# Altium PCB Wireless_Detector.PcbDoc (part 2 of 2)
Units mil, origin at the board's own origin, x right, y up, seen from the top; angles counter-clockwise.
Board outline 3157.48 x 3606.3 mil, 4 copper layers (Top Layer, GND, PWR, Bottom Layer), stack 53.912 mil thick; 127 components, 88 nets, 453 pads, 190 vias.
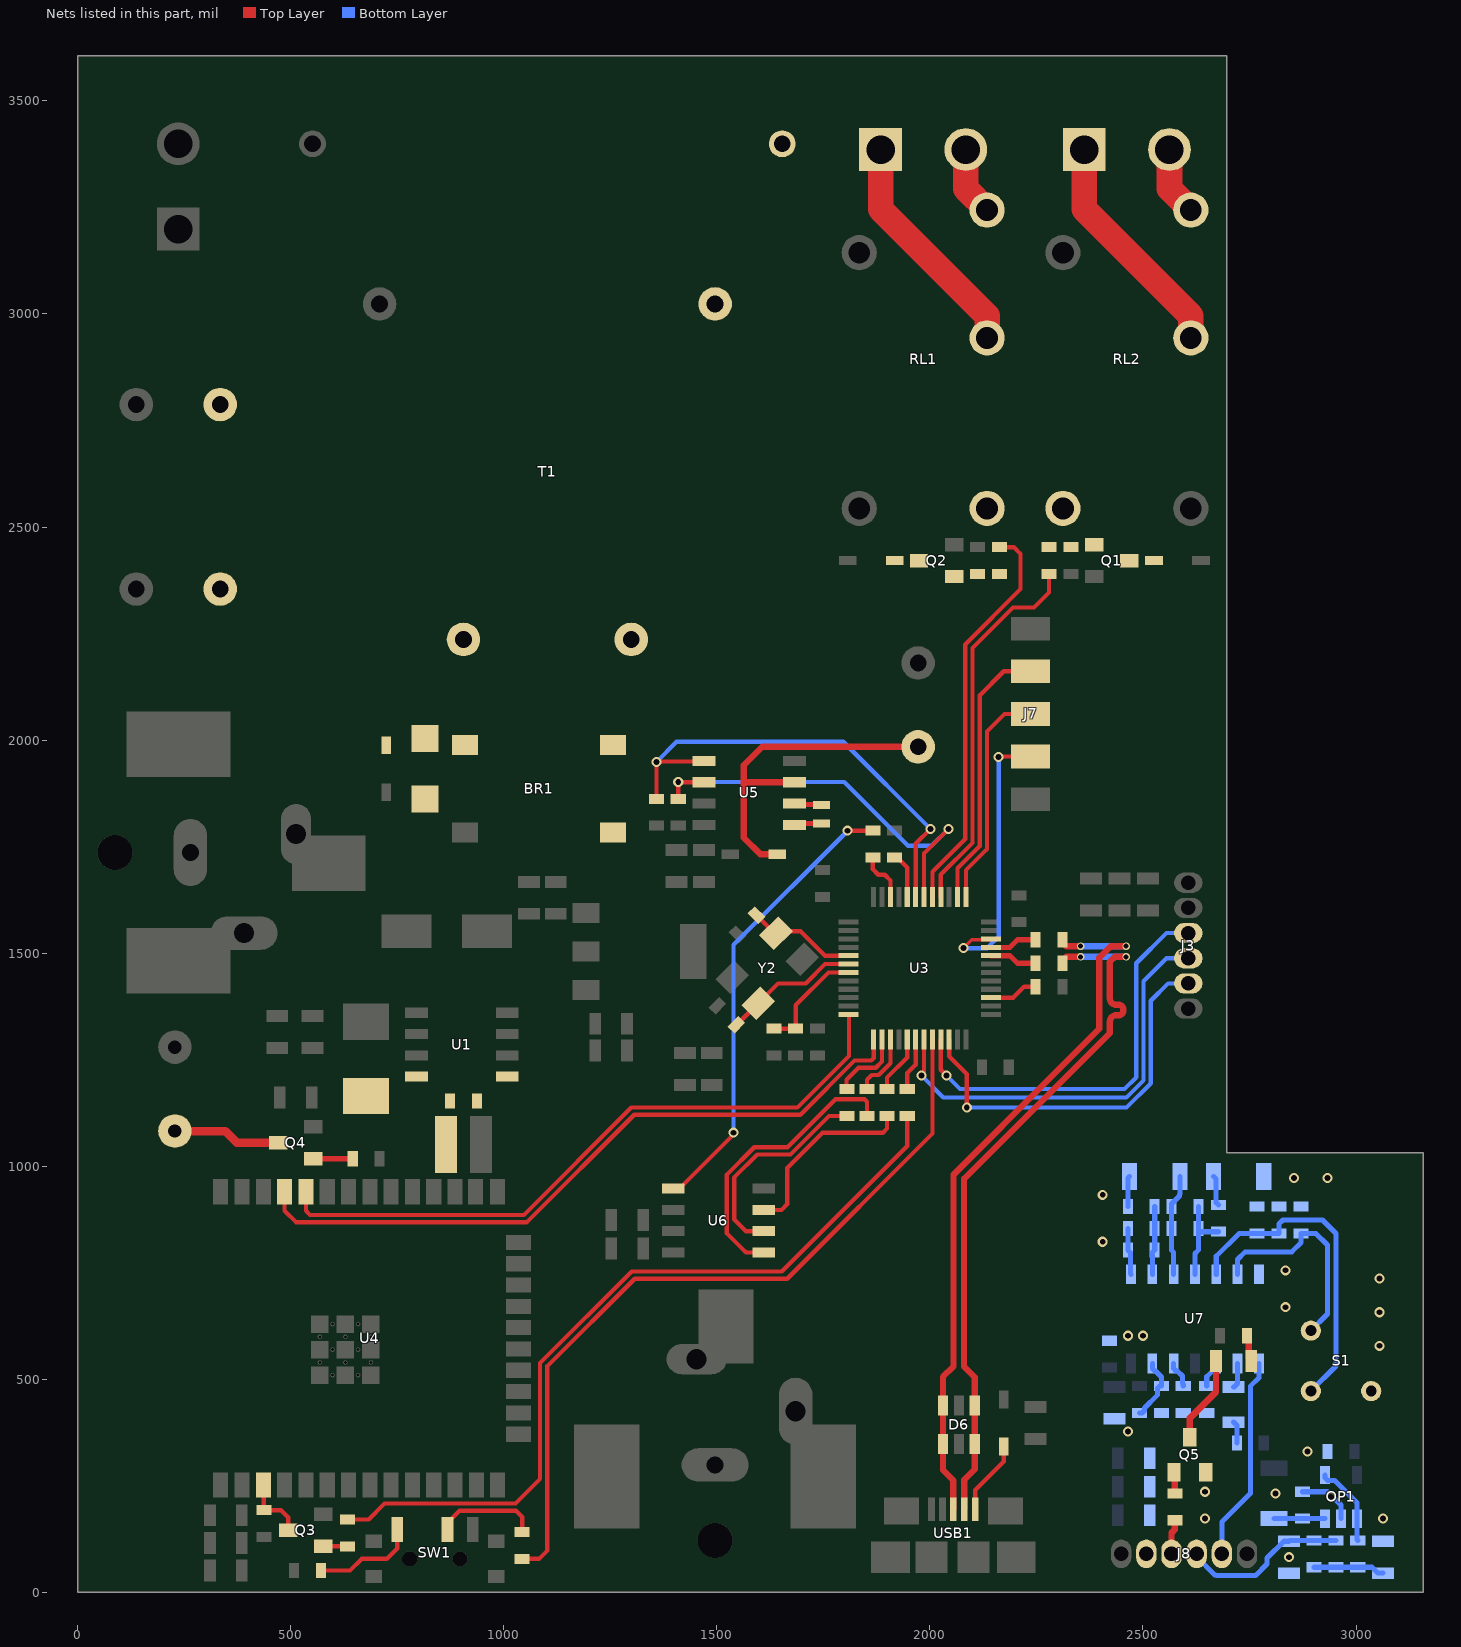
[diagram p4: the nets of this part, all layers, seen from the top]

## Via types
v1: diameter 23.62, hole 13.78, Top Layer to Bottom Layer, tented both sides, 185 vias
v2: diameter 17.72, hole 11.81, Top Layer to Bottom Layer, tented both sides, 4 vias
v3: diameter 23.62, hole 13.78, Top Layer to Bottom Layer, 1 vias

## Nets (pads, with @x,y where several pads share a name; then routed paths per layer and width w, separated by ;. In a path a pad name is that pad's centre, name@x,y a point inside that pad or via, vN(x,y) a via of type N, cw(c..) or ccw(c..) an arc to the next point about the centre after c; other vN are vias at no path point) (continued)
GND_S: C35.1 C36.1 C37.1 C39.1 C40.1 C41.1 C42.2 C43.1 C44.1 C45.1 C46.1 C47.1 J8.2 OP1.2 Q5.2 R31.1 R32.1 R33.1 R37.1 S1.3 U7.7 | length 135.2
  Bottom Layer w12: R37.1@2874.02,236.22 2933.22,236.22 2964.57,204.88 OP1.2@2964.57,173.23
  other v1: 2842.52,82.68 2645.67,173.23 3062.99,173.23 2940.94,224.41 2811.02,232.28 2645.67,236.22 2885.83,330.71 2464.57,377.95 3055.12,578.74 2464.57,602.36 2500,602.36 3055.12,657.48 2834.65,669.29 3055.12,736.22 2834.65,755.91 2405.51,822.83 2405.51,933.07 2854.33,972.44 2933.07,972.44
LED_S: J8.3 R29.2 | length 82
  Top Layer w15: J8.3@2566.93,90.55 2566.93,139.6 2574.8,147.48 R29.2@2574.8,169.29
LIGHT_1_GND: J2.2 RL1.3 | length 162.8
  Top Layer w60: J2.2@2084.25,3385.83 2084.25,3293.7 RL1.3@2134.25,3243.7
LIGHT_1_VCC: J2.1 RL1.2 | length 545.7
  Top Layer w60: J2.1@1884.25,3385.83 1884.25,3245.63 2134.25,2995.63 RL1.2@2134.25,2943.7
LIGHT_2_GND: J4.2 RL2.3 | length 162.8
  Top Layer w60: J4.2@2562.2,3385.83 2562.2,3293.7 RL2.3@2612.2,3243.7
LIGHT_2_VCC: J4.1 RL2.2 | length 545.7
  Top Layer w60: J4.1@2362.2,3385.83 2362.2,3245.63 2612.2,2995.63 RL2.2@2612.2,2943.7
MCU_N: R6.1 U3.32 | length 111.7
  Top Layer w12: U3.32@2143.7,1494.09 2187.73,1494.09 2205.44,1476.38 R6.1@2248.03,1476.38
MCU_P: R7.1 U3.33 | length 111.7
  Top Layer w12: U3.33@2143.7,1513.78 2187.89,1513.78 2205.6,1531.5 R7.1@2248.03,1531.5
NetBR1_1: BR1.1 T1.7
NetBR1_2: BR1.2 T1.9
NetBR1_3: BR1.3 F1.1
NetC1_1: C1.1 C2.1 D9.A F1.2
NetC5_1: C5.1 U1.1
NetC5_2: C5.2 D4.C L1.1 U1.8
NetC15_2: C15.2 U3.5 Y2.1 | length 259.3
  Top Layer w10: C15.2@1593.14,1589.2 1635.65,1546.69 Y2.1@1638.99,1546.69 1643.86,1551.56 1696.47,1551.56 1753.94,1494.09 U3.5@1809.06,1494.09
NetC19_1: C19.1 D5.C U5.3 | length 810.1
  Top Layer w15: D5.C@1641.73,1732.28 1602.36,1732.28 1563.48,1771.17 1563.48,1901.57 ; U5.3@1682.39,1901.11 1563.94,1901.11 1563.48,1901.57 ; C19.1@1972.44,1984.25 1606.78,1984.25 1563.48,1940.94 1563.48,1901.57
NetC22_2: C22.2 U3.6 Y2.3 | length 321.2
  Top Layer w10: C22.2@1546.85,1332.06 Y2.3@1597.23,1382.44 1643.92,1429.13 1708.66,1429.13 1753.94,1474.41 U3.6@1809.06,1474.41
NetC33_1: C33.1 R23.1 R25.2 U7.2 | length 161.3
  Bottom Layer w12: U7.2@2522.05,746.46 2522.05,797.63 C33.1@2527.56,803.15 R23.1@2527.56,854.33 R25.2@2527.56,905.51
NetC33_2: C33.2 R23.2 U7.1 | length 111
  Bottom Layer w12: R23.2@2464.56,854.33 C33.2@2464.56,803.15 2470.37,797.34 2470.37,748.13 U7.1@2472.05,746.46
NetC34_1: C34.1 C38.2 R28.2 U7.3 | length 240.2
  Bottom Layer w12: U7.3@2572.05,746.46 2572.05,798.03 2566.93,803.15 C38.2@2566.93,905.51 2566.93,911.42 2585.81,930.3 2585.81,934.08 2586.61,934.88 C34.1@2586.61,976.38
NetC34_2: C34.2 R25.1 | length 72.5
  Bottom Layer w12: R25.1@2464.56,905.51 2464.56,972.44 C34.2@2468.5,976.38
NetC37_2: C37.2 R27.1 U7.13 | length 152.5
  Bottom Layer w12: R27.1@2492.13,421.26 2498.03,421.26 2503.84,427.07 2503.84,432.97 2533.73,462.85 2533.73,478.45 2539.54,484.26 C37.2@2543.31,484.26 2543.31,505.74 2529.27,519.78 2527.46,519.78 2522.05,525.2 U7.13@2522.05,537.01
NetC38_1: C38.1 R28.1 R30.2 U7.4 | length 212
  Bottom Layer w12: U7.4@2622.05,746.46 2622.05,795.28 2629.93,803.15 C38.1@2629.93,905.51 ; R28.1@2629.93,852.26 2635.74,846.45 R30.2@2677.17,846.45
NetC39_2: C39.2 S1.1 U7.6 | length 512.6
  Bottom Layer w12: U7.6@2722.05,746.46 2721.85,746.66 2721.85,781.32 2739.74,799.21 2849.31,799.21 2870.8,820.7 C39.2@2870.8,842.52 2905.52,842.52 2933.07,814.96 2933.07,653.51 S1.1@2893.86,614.3
NetC40_2: C40.2 R33.2 S1.2 U7.5 | length 778.5
  Bottom Layer w12: U7.5@2672.05,746.46 2672.05,788.82 2725.74,842.52 R33.2@2767.72,842.52 C40.2@2818.9,842.52 2818.9,864.33 2828.59,874.02 2921.26,874.02 2952.76,842.52 2952.76,531.46 S1.2@2893.86,472.57
NetC41_2: C41.2 R30.1 | length 71.9
  Bottom Layer w12: C41.2@2665.35,976.38 2671.26,970.47 2671.26,915.26 2677.07,909.45 R30.1@2677.17,909.45
NetC43_2: C43.2 R34.1 R35.1 R36.1 | length 167.1
  Bottom Layer w12: R34.1@2901.57,59.05 R36.1@2952.76,59.05 R35.1@3003.94,59.05 3037.41,59.05 3051.18,45.28 C43.2@3062.99,45.28
NetD1_A: D1.A Q2.3 RL1.5
NetD2_A: D2.A Q1.3 RL2.4
NetD3_A: D3.A USB1.1 | length 175.4
  Top Layer w10: USB1.1@2106.3,194.88 2106.3,240.16 2173.23,307.09 D3.A@2173.23,342.52
NetD7_A: D7.A R24.1 | length 63.1
  Top Layer w15: R24.1@2744.1,602.36 2747.88,598.58 2747.88,549.37 D7.A@2753.94,543.31
NetD7_C: D7.C Q5.3 | length 204.4
  Top Layer w15: Q5.3@2610.24,364.17 2610.24,409.45 2671.26,470.47 D7.C@2671.26,543.31
NetD8_A: D8.A R26.1 | length 52.5
  Bottom Layer w12: D8.A@2712.6,399.61 2712.69,399.61 2720.47,391.83 R26.1@2720.47,350.39
NetD8_C: D8.C U7.9 | length 59.6
  Bottom Layer w12: D8.C@2712.6,482.28 2714.27,482.28 2722.05,490.06 U7.9@2722.05,537.01
NetJ3_3: J3.3 U3.21 | length 978.8
  Top Layer w10: U3.21@2025.59,1297.24 2025.59,1226.38 v1(2039.37,1212.6)
  Bottom Layer w10: v1(2039.37,1212.6) 2070.87,1181.1 2456.69,1181.1 2484.25,1208.66 2484.25,1476.38 2555.12,1547.24 J3.3@2606.3,1547.24
NetJ3_4: J3.4 U3.19 | length 1005.9
  Top Layer w10: v1(1980.32,1212.6) 1980.32,1216.28 1986.22,1222.19 U3.19@1986.22,1297.24
  Bottom Layer w10: v1(1980.32,1212.6) 2031.5,1161.42 2461.05,1161.42 2501.25,1201.62 2501.25,1434.32 2555.12,1488.19 J3.4@2606.3,1488.19
NetJ3_5: J3.5 U3.22 | length 930.7
  Top Layer w10: U3.22@2045.28,1297.24 2045.28,1257.87 2086.61,1216.54 v1(2086.61,1137.61)
  Bottom Layer w10: v1(2086.61,1137.61) 2086.8,1137.8 2461.47,1137.8 2518.25,1194.58 2518.25,1388.33 2559.06,1429.13 J3.5@2606.3,1429.13
NetJ7_2: J7.2 U3.34 | length 664.6
  Top Layer w8: v1(2078.74,1511.81) 2078.74,1512.06 2098.34,1531.66 2141.9,1531.66 U3.34@2143.7,1533.46
  Top Layer w10: v1(2161.42,1960.63) 2162.2,1961.42 J7.2@2236.22,1961.42
  Bottom Layer w10: v1(2078.74,1511.81) 2133.86,1511.81 2161.42,1539.37 v1(2161.42,1960.63)
NetJ7_3: J7.3 U3.37 | length 528.1
  Top Layer w10: U3.37@2084.65,1631.89 2084.65,1694.88 2133.86,1744.09 2133.86,2020.12 2175.16,2061.42 J7.3@2236.22,2061.42
NetJ7_4: J7.4 U3.38 | length 637.4
  Top Layer w10: U3.38@2064.96,1631.89 2064.96,1699.24 2116.86,1751.14 2116.86,2105.05 2173.23,2161.42 J7.4@2236.22,2161.42
NetJ8_5: J8.5 U7.8 | length 482.5
  Bottom Layer w12: J8.5@2685.04,90.55 2685.04,165.35 2751.97,232.28 2751.97,483.7 2772.05,503.78 U7.8@2772.05,537.01
NetLS1_2: LS1.2 Q4.3 | length 253.5
  Top Layer w20: LS1.2@228.35,1082.68 346.46,1082.68 374.02,1055.12 Q4.3@470.47,1055.12
NetOP1_1: OP1.1 OP1.4 R35.2 | length 195
  Bottom Layer w12: OP1.4@2927.17,275.59 2927.17,268.86 2932.98,263.05 2949.55,263.05 3001.97,210.63 3001.97,124.02 R35.2@3003.94,122.05
NetOP1_3: OP1.3 R37.2 RT1.1 | length 120.1
  Bottom Layer w12: RT1.1@2807.09,173.23 R37.2@2874.02,173.22 ; R37.2@2874.02,173.22 2905.35,173.22 ; 2905.35,173.23 OP1.3@2927.17,173.23
NetQ1_1: Q1.1 R3.2 R5.2
NetQ2_1: Q2.1 R2.2 R4.2
NetQ3_1: Q3.1 R18.2 | length 57.1
  Top Layer w10: Q3.1@576.77,108.27 R18.2@633.86,108.26
NetQ4_1: Q4.1 R22.2 | length 92.5
  Top Layer w12: Q4.1@553.15,1017.72 R22.2@645.67,1017.72
NetQ5_1: Q5.1 R29.1 | length 50
  Top Layer w15: Q5.1@2572.83,281.5 2574.8,279.53 R29.1@2574.8,232.29
NetR1_2: R1.2 T1.1
NetR2_1: R2.1 U3.41 | length 946.9
  Top Layer w10: U3.41@2005.91,1631.89 2005.91,1690.94 2082.86,1767.9 2082.86,2224.59 2212.6,2354.33 2212.6,2437.01 2196.85,2452.76 R2.1@2162.99,2452.76
NetR3_1: R3.1 U3.40 | length 891.9
  Top Layer w10: U3.40@2025.59,1631.89 2025.59,1684.32 2099.86,1758.59 2099.86,2216.04 2194.84,2311.02 2244.09,2311.02 2279.53,2346.46 R3.1@2279.53,2389.76
NetR10_1: R10.1 U3.18 | length 124.3
  Top Layer w10: R10.1@1946.85,1181.11 1946.85,1218.69 1966.54,1238.37 U3.18@1966.54,1297.24
NetR12_2: R12.2 U3.44 | length 108.2
  Top Layer w10: R12.2@1917.32,1724.41 1923.23,1724.41 1946.85,1700.78 U3.44@1946.85,1631.89
NetR14_1: R14.1 U3.27 | length 114.9
  Top Layer w10: U3.27@2143.7,1395.67 2195.63,1395.67 2221.22,1421.26 R14.1@2248.03,1421.26
NetR15_1: R15.1 U6.1 | length 680.8
  Top Layer w10: U6.1@1610.24,797.64 1568.66,797.64 1567.09,799.21 1566.93,799.21 1523.62,842.52 1523.62,980.31 1587.87,1044.56 1665.77,1044.56 1778.5,1157.3 1827.81,1157.3 1846.5,1157.3 1852.36,1151.44 R15.1@1852.36,1118.11
NetR16_1: R16.1 U6.3 | length 447.7
  Top Layer w10: U6.3@1610.24,897.64 1651.81,897.64 1665.35,911.18 1665.35,996.06 1748.03,1078.74 1889.76,1078.74 1899.61,1088.58 R16.1@1899.61,1118.11
NetR17_1: R17.1 U6.2 | length 503.3
  Top Layer w10: U6.2@1610.24,847.64 1568.66,847.64 1540.62,875.68 1540.62,973.27 1594.91,1027.56 1672.81,1027.56 1763.36,1118.11 R17.1@1805.12,1118.11
NetR19_1: R19.1 U6.5 | length 1077.1
  Top Layer w10: U6.5@1397.64,947.64 1412.4,947.64 1536.76,1072 1536.76,1076.13 v1(1539.37,1078.74) ; v1(1807.09,1787.4) R19.1@1866.14,1787.41
  Bottom Layer w10: v1(1539.37,1078.74) 1539.37,1519.69 v1(1807.09,1787.4)
NetR20_1: R20.1 SW1.1 | length 245.2
  Top Layer w10: R20.1@570.87,51.18 639.39,51.18 666.95,78.74 725.63,78.74 737.81,90.93 750,103.11 SW1.1@750,147.64
NetR21_2: R21.2 SW1.2 | length 244.1
  Top Layer w10: SW1.2@868.11,147.64 868.11,163.39 896.39,191.66 1028.81,191.66 1043.31,177.17 R21.2@1043.31,141.74
NetR31_2: R31.2 U7.10 | length 62
  Bottom Layer w12: R31.2@2649.61,484.26 2649.61,506.07 2672.05,528.51 U7.10@2672.05,537.01
NetR32_2: R32.2 U7.12 | length 63.8
  Bottom Layer w12: U7.12@2572.05,537.01 2572.05,525.2 2577.46,519.78 2580.37,519.78 2592.58,507.57 2592.58,490.07 2594.49,488.16 R32.2@2594.49,484.26
NetU5_1: U5.1 Y1.2 | length 64.4
  Top Layer w12: U5.1@1682.39,1801.11 1685.73,1804.45 Y1.2@1745.38,1804.45
NetU5_2: U5.2 Y1.1 | length 64.4
  Top Layer w12: U5.2@1682.39,1851.11 1685.03,1848.47 1744.67,1848.47 Y1.1@1745.38,1847.76
NRST: C23.2 R11.2 U3.7 | length 262.1
  Top Layer w10: R11.2@1633.86,1322.84 C23.2@1685.04,1322.84 1685.04,1377.95 1761.81,1454.72 U3.7@1809.06,1454.72
RTC_SCL: R8.1 U3.42 U5.6 | length 991.2
  Top Layer w10: R8.1@1409.45,1866.15 v1(1409.45,1901.57) 1409.68,1901.34 1469.56,1901.34 U5.6@1469.79,1901.11 ; U3.42@1986.22,1631.89 1986.22,1734.25 v1(2043.31,1791.34)
  Bottom Layer w10: v1(1409.45,1901.57) 1799.21,1901.57 1948.82,1751.97 2003.94,1751.97 v1(2043.31,1791.34)
RTC_SDA: R9.2 U3.43 U5.5 | length 1120.2
  Top Layer w10: R9.2@1358.27,1862.21 v1(1358.27,1948.82) 1359.41,1949.96 1468.65,1949.96 U5.5@1469.79,1951.11 ; U3.43@1966.54,1631.89 1966.54,1756.95 v1(2001.13,1791.54)
  Bottom Layer w10: v1(1358.27,1948.82) 1405.51,1996.06 1796.6,1996.06 v1(2001.13,1791.54)
SENSOR_ONOFF: R21.1 U3.20 | length 1849.9
  Top Layer w10: R21.1@1043.31,78.74 1082.67,78.74 1102.36,98.43 1102.36,531.08 1307.51,736.22 1665.35,736.22 2005.91,1076.77 U3.20@2005.91,1297.24
TEMP_ADC: C44.2 J8.4 R34.2 R36.2 | length 394.3
  Bottom Layer w12: J8.4@2625.98,90.55 2625.98,83.66 2668.56,41.09 2670.44,41.09 2672.16,39.37 2763.78,39.37 2791.34,66.93 2791.34,80.71 2830.71,120.08 C44.2@2842.52,120.08 2844.49,122.05 R34.2@2901.57,122.05 R36.2@2952.76,122.05
TEMP_IN_CS: R17.2 U3.14 | length 172.7
  Top Layer w10: R17.2@1804.42,1182.7 1804.42,1202.92 1832.54,1231.03 1872.81,1231.03 1887.8,1246.02 U3.14@1887.8,1297.24
TEMP_IN_OT: R19.2 U3.46 | length 118.4
  Top Layer w10: R19.2@1866.14,1724.41 1866.14,1696.85 1878.94,1684.05 1893.94,1684.05 1907.48,1670.51 U3.46@1907.48,1631.89
TEMP_IN_SCLK: R15.2 U3.15 | length 148.6
  Top Layer w10: R15.2@1852.36,1181.11 1852.36,1202.92 1863.48,1214.03 1879.85,1214.03 1907.48,1241.66 U3.15@1907.48,1297.24
TEMP_IN_SIO: R16.2 U3.17 | length 135.7
  Top Layer w10: R16.2@1899.61,1181.11 1899.61,1207.92 1946.85,1255.16 U3.17@1946.85,1297.24
USB_N: D6.1 D6.6 R6.2 USB1.2 | length 1690.9
  Top Layer w14.7: USB1.2@2080.71,194.88 2080.71,264.62 2105.31,289.22 D6.6@2105.31,348.43 D6.1@2105.31,438.98 2105.31,504.92 2080.26,529.97 2080.26,970.53 2417.25,1307.52 2422.34,1312.6 2422.34,1339.57 cw(c2437.03,1339.57) 2437.03,1354.26 2442.05,1354.26 ccw(c2442.05,1366.61) 2442.05,1378.96 2437.03,1378.96 cw(c2437.03,1393.66) 2422.34,1393.66 2422.34,1436.62 2422.34,1479.5 2434.42,1491.59 2458.25,1491.59 2458.49,1491.34 v2(2460.63,1491.34) ; R6.2@2311.03,1476.38 2311.03,1482.28 2320.33,1491.59 2351.41,1491.59 2351.66,1491.34 v2(2353.79,1491.34)
  Bottom Layer w14.7: v2(2353.79,1491.34) 2354.04,1491.59 2458.25,1491.59 2458.49,1491.34 v2(2460.63,1491.34)
USB_P: D6.3 D6.4 R7.2 USB1.3 | length 1690.9
  Top Layer w14.7: USB1.3@2055.12,194.88 2055.12,262.8 2030.51,287.4 D6.4@2030.51,348.43 D6.3@2030.51,438.98 2030.51,505.63 2055.56,530.68 2055.56,980.76 2287.4,1212.6 2379.92,1305.12 2397.64,1322.83 2397.64,1489.73 2424.19,1516.29 2460.38,1516.29 v2(2460.63,1516.54) ; R7.2@2311.03,1531.5 2311.03,1525.59 2320.33,1516.29 2353.54,1516.29 v2(2353.79,1516.54)
  Bottom Layer w14.7: v2(2353.79,1516.54) 2355.93,1516.54 2356.18,1516.29 2460.38,1516.29 v2(2460.63,1516.54)
WIFI_EN: R10.2 R18.1 | length 1905.6
  Top Layer w10: R18.1@633.86,171.26 683.07,171.26 720.47,208.66 1027.56,208.66 1085.36,266.46 1085.36,538.12 1300.46,753.22 1652.41,753.22 1946.85,1047.66 R10.2@1946.85,1118.11
WIFI_OUT: Q3.3 R13.2 U4.3 | length 154.2
  Top Layer w10: U4.3@435.83,251.97 437.01,250.79 R13.2@437.01,192.92 469.72,192.92 ; 469.73,192.91 477.6,192.91 494.09,176.42 Q3.3@494.09,145.67
WIFI_RXD: U3.12 U4.34 | length 1575.1
  Top Layer w10: U4.34@535.84,940.16 535.84,895.63 545.64,885.83 1047.24,885.83 1299.21,1137.8 1688.98,1137.8 1809.96,1258.78 1809.96,1355.39 U3.12@1809.06,1356.3
WIFI_TXD: U3.13 U4.35 | length 1640.8
  Top Layer w10: U4.35@485.84,940.16 485.84,895.63 512.64,868.83 1054.29,868.83 1306.25,1120.8 1696.02,1120.8 1823.25,1248.03 1862.25,1248.03 1868.11,1253.89 U3.13@1868.11,1297.24
pads on no net: J3.6 J5. J6. J8.6 RL1.1 RL2.1 SW1. SW1.3 U1.2 U1.3 U1.5 U3.1 U3.2 U3.3 U3.4 U3.10 U3.11 U3.16 U3.25 U3.26 U3.28 U3.29 U3.30 U3.31 U3.39 U3.45 U4.4 U4.5 U4.6 U4.7 U4.8 U4.9 U4.10 U4.11 U4.12 U4.13 U4.14 U4.16 U4.17 U4.18 U4.19 U4.20 U4.21 U4.22 U4.23 U4.24 U4.25 U4.26 U4.27 U4.28 U4.29 U4.30 U4.31 U4.32 U4.33 U4.36 U4.37 U5.7 U6.6 U6.7 U7.11 USB1.4

## Polygon pours and split planes (outlines as drawn)
GND on Top Layer "GNDTop" (solid, pour order 15): 539.37,681.1 511.81,653.54 511.81,484.25 539.37,456.69 716.54,456.69 744.09,484.25 744.09,649.61 712.6,681.1
GND on Top Layer "GNDTop" (solid, remove dead copper, pour order 9): 216.54,2834.65 177.17,2874.02 95.3,2874.02 31.5,2810.21 31.5,1048.06 99.24,980.32 1031.5,980.32 1114.99,896.82 1114.99,73.99 1177.17,11.81 2255.91,11.81 2287.4,43.31 2287.4,1059.06 2311.02,1082.68 2548.06,1082.68 2673.23,1207.85 2673.23,2267.72 2464.57,2476.38 1792.16,2476.38 1767.72,2451.94 1767.72,2122.05 1586.61,1940.94 523.62,1940.94 216.54,2248.03
GND_S on Top Layer "GNDTop" (solid, pour order 14): 2405.51,1007.87 2366.14,968.5 2366.14,86.61 2417.32,35.43 3094.49,35.43 3129.92,70.87 3129.92,968.5 3090.55,1007.87
3V3DC on Top Layer "Top Layer-3V3DC" (solid, pour order 7): 1149.61,1192.91 1185.04,1157.48 1523.62,1157.48 1531.5,1165.35 1531.5,1208.66 1519.68,1220.47 1259.84,1220.47 1248.03,1232.28 1248.03,1374.02 1366.14,1492.13 1366.14,1708.66 1535.43,1708.66 1633.86,1610.24 1771.65,1610.24 1779.53,1618.11 1779.53,1645.67 1771.65,1653.54 1649.61,1653.54 1511.81,1791.34 1511.81,1811.02 1496.06,1826.77 1338.58,1826.77 1322.83,1811.02 1322.83,1523.62 1248.03,1448.82 1161.42,1448.82 1149.61,1437.01
5VDC on Top Layer "GNDTop" (solid, pour order 4): 921.26,1125.98 913.39,1118.11 913.39,988.19 921.26,980.32 1074.8,980.32 1118.11,1023.62 1118.11,1452.76 1094.49,1476.38 1047.24,1476.38 1023.62,1500 1023.62,1555.12 1027.56,1559.06 1224.41,1559.06 1240.16,1574.8 1240.16,1614.17 1224.41,1629.92 901.57,1629.92 874.02,1602.36 874.02,1500 874.02,1354.33 897.64,1330.71 1043.31,1330.71 1051.18,1322.83 1051.18,1157.48 1019.68,1125.98
NetBR1_2 on Top Layer "GNDTop" (solid, pour order 0): 1397.64,2279.53 1330.71,2346.46 1251.97,2346.46 1185.04,2279.53 1185.04,1956.69 1220.47,1921.26 1287.4,1921.26 1326.77,1960.63 1326.77,2114.17 1397.64,2185.04
NetC1_1 on Top Layer "GNDTop" (solid, pour order 2): 858.27,1972.44 858.27,2035.43 822.83,2070.87 649.61,2070.87 452.76,2267.72 452.76,2830.71 405.51,2877.95 295.28,2877.95 251.97,2834.65 251.97,2244.09 291.34,2204.72 555.12,1940.94 826.77,1940.94
NetBR1_1 on Top Layer "GNDTop" (solid, pour order 1): 787.4,2283.46 846.46,2342.52 952.76,2342.52 1023.62,2271.65 1023.62,2161.42 1149.61,2035.43 1149.61,1940.94 1266.15,1824.4 1266.15,1742.53 1259.84,1736.22 1192.91,1736.22 1027.56,1901.57 1027.56,2027.56 929.13,2125.98 846.46,2125.98 787.4,2185.04
GND on Bottom Layer "GNDTop" (solid, pour order 8): 539.37,681.1 511.81,653.54 511.81,484.25 539.37,456.69 716.54,456.69 744.09,484.25 744.09,649.61 712.6,681.1
GND on Bottom Layer "Bottom Layer-GND" (solid, remove dead copper, pour order 12): 39.37,1543.31 578.74,1003.94 1070.87,1003.94 1133.86,940.94 1133.86,287.4 1000,153.54 338.58,153.54 311.02,125.98 311.02,51.18 334.65,27.56 2244.09,27.56 2303.15,86.61 2303.15,1066.93 2322.83,1086.61 2543.31,1086.61 2669.29,1212.6 2669.29,2346.46 2641.73,2374.02 1846.46,2374.02 1803.15,2330.71 1803.15,2074.8 1755.91,2027.56 433.07,2027.56 220.47,2240.16 220.47,2842.52 185.04,2877.95 82.68,2877.95 39.37,2834.65 39.37,1913.39
GND on Bottom Layer "GNDTop" (solid, pour order 18): 653.54,145.67 496.06,303.15 295.28,303.15 271.65,279.53 271.65,165.35 318.9,118.11 653.54,118.11
GND on Bottom Layer "GNDTop" (solid, pour order 19): 496.06,303.15 496.06,417.32 500,417.32 539.37,456.69 511.81,484.25 330.71,303.15
GND_S on Bottom Layer "GNDTop" (solid, remove dead copper, pour order 13): 2405.51,1007.87 2366.14,968.5 2366.14,86.61 2417.32,35.43 3094.49,35.43 3129.92,70.87 3129.92,968.5 3090.55,1007.87
3V3DC on PWR (split plane): 425.2,2622.05 425.2,2078.74 585.75,2078.74 395.24,1888.23 392.74,1885.18 390.88,1881.71 389.74,1877.94 389.35,1874.02 389.35,1645.67 389.74,1641.75 390.88,1637.98 392.74,1634.5 395.24,1631.46 479.9,1546.79 479.9,1484.7 375.55,1380.35 373.05,1377.31 371.2,1373.83 370.05,1370.06 369.67,1366.14 369.67,1232.28 370.05,1228.36 371.2,1224.59 373.05,1221.12 375.55,1218.07 407.05,1186.58 410.09,1184.08 413.57,1182.22 413.81,1182.15 412.42,1180.46 410.57,1176.98 409.42,1173.21 409.04,1169.29 409.42,1165.37 410.57,1161.6 412.42,1158.13 414.92,1155.08 417.97,1152.58 421.44,1150.72 425.21,1149.58 429.13,1149.19 433.05,1149.58 436.82,1150.72 440.3,1152.58 443.34,1155.08 445.84,1158.13 447.7,1161.6 448.84,1165.37 449.23,1169.29 448.84,1173.21 447.7,1176.98 445.84,1180.46 445.65,1180.69 814.96,1180.69 818.88,1181.08 822.65,1182.22 826.13,1184.08 829.17,1186.58 849.98,1207.39 849.98,925.2 850.37,921.28 851.51,917.51 853.37,914.03 855.87,910.99 1320.43,446.42 1320.44,446.42 1323.48,443.92 1326.95,442.06 1330.72,440.92 1334.65,440.53 1543.31,440.53 1547.23,440.92 1551,442.06 1554.47,443.92 1557.52,446.42 1600.82,489.73 1603.32,492.77 1605.18,496.25 1606.32,500.02 1606.71,503.94 1606.71,598.43 1606.32,602.35 1605.18,606.12 1603.32,609.59 1600.82,612.64 1549.64,663.82 1546.6,666.32 1543.12,668.17 1539.35,669.32 1535.43,669.7 1299.66,669.7 1165.77,803.6 1165.77,1078.29 1211.06,1123.58 1213.56,1126.63 1215.42,1130.1 1216.56,1133.87 1216.95,1137.8 1216.95,1523.62 1216.56,1527.54 1215.42,1531.31 1213.56,1534.79 1211.06,1537.83 1144.13,1604.76 1141.09,1607.26 1137.61,1609.12 1133.84,1610.26 1129.92,1610.65 937.01,1610.65 933.09,1610.26 929.32,1609.12 925.84,1607.26 922.8,1604.76 890.18,1572.14 890.18,1633.41 1110.69,1853.92 1842.52,1853.92 1846.44,1854.3 1850.21,1855.45 1853.68,1857.31 1856.73,1859.81 2327.22,2330.3 2637.8,2330.3 2641.72,2330.68 2645.49,2331.83 2648.96,2333.68 2652.01,2336.18 2676.75,2360.93 2676.75,1051.59 2334.65,1051.59 2330.72,1051.21 2326.95,1050.06 2323.48,1048.21 2320.44,1045.71 2317.94,1042.66 2316.08,1039.19 2314.94,1035.42 2314.55,1031.5 2314.55,20.1 20.1,20.1 20.1,220.47 259.84,220.47 259.84,984.25 20.1,984.25 20.1,2877.95 425.2,2877.95
12VDC on PWR (split plane): 2657.07,2578.29 2657.07,2398.09 2629.47,2370.49 2318.9,2370.49 2314.98,2370.1 2311.21,2368.96 2307.73,2367.1 2304.69,2364.6 1834.2,1894.11 1102.36,1894.11 1098.44,1893.73 1094.67,1892.58 1091.2,1890.73 1088.15,1888.23 855.87,1655.94 853.37,1652.9 851.51,1649.42 850.37,1645.65 849.98,1641.73 849.98,1523.62 849.98,1264.23 806.64,1220.88 429.58,1220.88 409.86,1240.61 409.86,1357.82 514.21,1462.17 516.71,1465.21 518.57,1468.69 519.71,1472.46 520.1,1476.38 520.1,1555.12 519.71,1559.04 518.57,1562.81 516.71,1566.28 514.21,1569.33 429.55,1653.99 429.55,1865.69 610.69,2046.83 1728.35,2046.83 1732.27,2047.22 1736.04,2048.36 1739.51,2050.22 1742.56,2052.72 1774.05,2084.21 1776.55,2087.26 1778.41,2090.73 1779.55,2094.5 1779.94,2098.43 1779.94,2586.16 1795.73,2601.95 2633.41,2601.95
3V3DC_S on PWR (split plane): 3137.38,20.1 2354.74,20.1 2354.74,1011.4 3137.38,1011.4
5VDC on PWR (split plane): 1176.75,1515.3 1176.75,1146.12 1131.46,1100.82 1128.96,1097.78 1127.1,1094.3 1125.96,1090.53 1125.57,1086.61 1125.57,795.28 1125.96,791.35 1127.1,787.58 1128.96,784.11 1131.46,781.07 1277.13,635.4 1280.17,632.9 1283.65,631.04 1287.42,629.9 1291.34,629.51 1527.11,629.51 1566.52,590.1 1566.52,512.26 1534.98,480.73 1342.97,480.73 890.18,933.52 890.18,1515.3 945.33,1570.45 1121.6,1570.45
3V3DC on PWR (split plane): 2676.75,2615.45 2670.15,2622.05 2676.75,2622.05
GND on GND (split plane): 425.2,2622.05 425.2,2078.74 1759.84,2078.74 1759.84,2622.05 2676.75,2622.05 2676.75,1051.59 2334.65,1051.59 2330.72,1051.21 2326.95,1050.06 2323.48,1048.21 2320.44,1045.71 2317.94,1042.66 2316.08,1039.19 2314.94,1035.42 2314.55,1031.5 2314.55,20.1 20.1,20.1 20.1,220.47 259.84,220.47 259.84,984.25 20.1,984.25 20.1,2877.95 425.2,2877.95
GND_S on GND (split plane): 3137.38,20.1 2354.74,20.1 2354.74,1011.4 3137.38,1011.4

## Keep-outs
Keep-Out Layer:
  lines w10: 0,0 0,3606.3 2696.85,3606.3 2696.85,1027.56 3157.48,1027.56 3157.48,0 0,0

## Other copper
Top Layer:
  region: 345 vertices and 0 holes, not listed, extent 104.24,89.01 129.9,156.6
  region: 178 vertices and 0 holes, not listed, extent 133.13,108.87 161.01,136.75
  region: 695 vertices and 0 holes, not listed, extent 53.09,52.79 93.74,192.83
  region: 513 vertices and 0 holes, not listed, extent 78.63,70.93 111.89,174.68
  pour cut-out: 1645.82,1929.3 1645.82,1917.93 1646.28,1917.93 1657.48,1929.13
  pour cut-out: 2136.28,2399.16 2185.04,2350.39 2200.79,2366.14 2200.79,2496.06 2136.28,2431.55
  pour cut-out: 2303.15,2407.48 2324.81,2429.13 2405.64,2429.13 2428.05,2406.72 2433.07,2411.74 2433.07,2421.26 2409.45,2444.88 2311.02,2444.88 2303.15,2437.01
  pour cut-out: 1158.69,1455.41 1124.78,1455.41 1124.7,1455.49 1122.05,1452.83 1122.05,1440.94 1141.81,1440.94 1143.01,1439.74
  region net GND: 358.27,283.46 354.33,287.4 295.28,287.4 291.34,283.46 291.34,27.56 299.21,19.68 350.39,19.68 358.27,27.56
  region net 3V3DC: 1299.21,937.01 1291.34,929.13 1291.34,783.46 1307.09,767.72 1456.69,767.72 1468.5,779.53 1468.5,811.02 1456.69,822.83 1366.14,822.83 1354.33,834.65 1354.33,929.13 1346.46,937.01
  region net 5VDC: 2149.61,417.32 2173.23,393.7 2263.78,393.7 2287.4,417.32 2287.4,500 2259.84,527.56 2177.17,527.56 2149.61,500
  region net NetR1_2: 1720.47,3444.88 1677.17,3488.19 1610.24,3488.19 1574.8,3452.76 1385.83,3263.78 1385.83,2937.01 1437.01,2885.83 1547.24,2885.83 1614.17,2952.76 1614.17,3200.79 1720.47,3307.09
  region net AC_LINE_2: 185.04,3259.84 153.54,3228.35 153.54,3125.98 192.91,3086.61 381.89,3086.61 535.43,2933.07 748.03,2933.07 791.34,2976.38 791.34,3204.72 736.22,3259.84
  region net AC_LINE_1: 177.17,3342.52 137.8,3381.89 137.8,3460.63 185.04,3507.87 570.87,3507.87 618.11,3460.63 618.11,3374.02 586.61,3342.52
  region net 12VDC: 2673.23,2592.13 2651.18,2614.17 2584.25,2614.17 2556.69,2586.61 2556.69,2492.13 2607.87,2440.94 2607.87,2409.45 2619.68,2397.64 2661.42,2397.64 2673.23,2409.45
  region net NetQ1_1: 2407.09,2440.94 2411.02,2444.88 2411.02,2472.44 2407.09,2476.38 2269.29,2476.38 2257.48,2464.57 2257.48,2444.88 2261.42,2440.94
  region net NetD2_A: 2552.76,2397.64 2446.46,2397.64 2434.65,2409.45 2434.65,2476.38 2418.9,2492.13 2285.04,2492.13 2249.61,2527.56 2249.61,2590.55 2285.04,2625.98 2399.21,2625.98 2556.69,2468.5 2556.69,2401.57
  region net NetQ2_1: 2035.43,2401.57 2031.5,2397.64 2031.5,2370.08 2035.43,2366.14 2173.23,2366.14 2185.04,2377.95 2185.04,2397.64 2181.1,2401.57
  region net NetD1_A: 1893.7,2397.64 2000,2397.64 2003.94,2401.57 2003.94,2468.5 2027.56,2492.13 2161.42,2492.13 2196.85,2527.56 2196.85,2590.55 2161.42,2625.98 2047.24,2625.98 1889.76,2468.5 1889.76,2401.57
  region net 12VDC: 1767.72,2586.61 1795.28,2614.17 1862.2,2614.17 1889.76,2586.61 1889.76,2492.13 1838.58,2440.94 1838.58,2409.45 1826.77,2397.64 1779.53,2397.64 1767.72,2409.45
  region net 3V3DC: 370.08,287.4 366.14,283.46 366.14,27.56 370.08,23.62 519.68,23.62 535.43,39.37 535.43,70.87 519.68,86.61 472.44,86.61 456.69,102.36 456.69,141.73 448.82,149.61 417.32,149.61 405.51,161.42 405.51,283.46 401.57,287.4
  region net 3V3DC: 2188.98,1905.51 2173.23,1889.76 2173.23,1822.83 2354.33,1641.73 2633.86,1641.73 2645.67,1653.54 2645.67,1759.84 2633.86,1771.65 2374.02,1771.65 2307.09,1838.58 2307.09,1889.76 2291.34,1905.51
  region net NetC5_1: 913.39,1141.73 921.26,1133.86 1011.81,1133.86 1035.43,1157.48 1035.43,1224.41 1031.5,1228.35 980.32,1228.35 976.38,1224.41 976.38,1181.1 968.5,1173.23 921.26,1173.23 913.39,1165.35
  region net 12VDC: 437.99,1304.13 418.31,1284.45 418.31,1233.27 437.99,1213.58 587.6,1213.58 614.17,1240.16 828.82,1240.16 835.63,1246.97 835.63,1274.61 825.79,1284.45 609.25,1284.45 589.57,1304.13
  region net NetC5_2: 602.36,1204.72 625.98,1228.35 842.52,1228.35 897.64,1173.23 897.64,988.19 889.76,980.32 834.65,980.32 811.02,1003.94 811.02,1082.68 787.4,1106.3 625.98,1106.3 602.36,1129.92
  region net 12VDC: 751.97,1909.45 732.28,1929.13 507.87,1929.13 433.07,1854.33 433.07,1637.8 492.13,1578.74 661.42,1578.74 751.97,1669.29
  region net NetBR1_3: 763.78,1909.45 783.46,1929.13 834.65,1929.13 870.08,1964.57 870.08,2015.75 885.83,2031.5 933.07,2031.5 948.82,2015.75 948.82,1917.32 854.33,1822.83 779.53,1822.83 763.78,1838.58
Bottom Layer:
  pour cut-out: 2486.98,573.52 2511.81,548.7 2511.81,547.24 2753.13,547.24 2779.41,573.52
  region net TEMP_ADC: 2606.3,66.93 2639.89,33.33 2671.26,33.33 2671.26,45.27 2649.61,66.93 2649.61,98.43 2637.8,98.43
  region net NetJ8_5: 2661.42,106.3 2661.42,122.05 2681.1,141.73 2681.1,153.54 2688.98,153.54 2688.98,141.73 2708.66,122.05 2708.66,94.49
  pour cut-out: 2741,857.81 2741,1010.97 2736.22,1015.75 2728.35,1007.87 2728.35,860.41 2725.74,857.81
  pour cut-out: 2481.51,714.45 2710.51,714.45 2716.54,720.47 2688.98,748.03 2488.19,748.03 2481.42,741.26 2481.42,714.5
  pour cut-out: 2767.26,213.05 2779.53,200.79 2778.69,199.95 2764.62,199.95 2751.97,212.6 2767.26,227.89 2751.97,212.6 2767.26,227.89
  pour cut-out: 2404.77,424.46 2404.77,373.04 2424.22,353.59 2462.82,353.59 2479.58,336.83 2479.58,122.78 2492.13,110.24 2649.61,110.24 2677.17,137.8 2674.22,140.74 2674.22,176.17 2676.17,176.17 2748.03,248.03 2748.03,468.5 2448.82,468.5
  pour cut-out: 2362.2,129.92 2362.2,74.8 2413.39,23.62 2673.23,23.62
  region net 3V3DC_S: 2842.52,267.72 2771.65,267.72 2767.72,271.65 2767.72,401.57 2787.4,421.26 3019.69,421.26 3043.31,397.64 3043.31,251.97 3039.37,248.03 2988.19,248.03 2976.38,259.84 2976.38,354.33 2960.63,370.08 2877.95,370.08 2850.39,342.52 2850.39,275.59
  region net GND_S: 2484.25,66.93 2496.06,55.12 2519.68,55.12 2531.5,66.93 2531.5,133.86 2551.18,153.54 2641.73,153.54 2677.17,188.98 2677.17,433.07 2665.35,444.88 2537.41,444.88 2523.62,431.09 2523.62,401.57 2515.75,393.7 2476.38,393.7 2464.57,405.51 2464.57,425.2 2456.69,433.07 2413.39,433.07 2405.51,425.2 2405.51,389.76 2433.07,362.2 2468.5,362.2 2484.25,346.46 2484.25,133.86
  region net 3V3DC_S: 2362.2,129.92 2437.01,55.12 2460.63,55.12 2472.44,66.93 2472.44,334.65 2460.63,346.46 2421.26,346.46 2397.64,370.08 2397.64,433.07 2425.2,460.63 2507.87,460.63 2515.75,468.5 2515.75,496.06 2507.87,503.94 2500,503.94 2492.13,511.81 2492.13,559.06 2484.25,566.93 2385.83,566.93 2362.2,543.31 2362.2,346.46
  pour cut-out: 913.39,1157.48 944.88,1125.98 944.88,1122.05 929.13,1122.05 901.57,1094.49 877.95,1118.11 877.95,1125.98 909.45,1157.48
  region net 3V3DC: 1299.21,937.01 1291.34,929.13 1291.34,783.46 1307.09,767.72 1437.01,767.72 1444.88,775.59 1444.88,811.02 1433.07,822.83 1366.14,822.83 1354.33,834.65 1354.33,929.13 1346.46,937.01
  region net 5VDC: 2149.61,417.32 2173.23,393.7 2263.78,393.7 2287.4,417.32 2287.4,500 2259.84,527.56 2177.17,527.56 2149.61,500
  region net 5VDC: 921.26,1125.98 913.39,1118.11 913.39,988.19 921.26,980.32 1074.8,980.32 1118.11,1023.62 1118.11,1102.36 1094.49,1125.98
GND (plane layer: these items are gaps in the copper):
  rectangle: 2570.87,1574.8 2641.73,1641.73
  rectangle: 2476.38,59.06 2531.5,122.05
  rectangle: 653.07,533.31 664.88,545.12
  rectangle: 653.54,594.49 665.35,606.3
  rectangle: 622.05,566.93 633.86,574.8
  rectangle: 594.49,535.43 602.36,547.24
  rectangle: 594.49,594.49 602.36,602.36
  rectangle: 0,220.47 259.84,984.25
  rectangle: 425.2,2078.74 1759.84,2677.17
  rectangle: 425.2,2622.05 2700.79,3606.3
  rectangle: 0,2877.95 456.69,3602.36
  lines w40: 2334.65,0 2334.65,1031.5 2700.79,1031.5
PWR (plane layer: these items are gaps in the copper):
  rectangle: 0,220.47 259.84,984.25
  rectangle: 425.2,2622.05 2700.79,3606.3
  rectangle: 425.2,2078.74 1759.84,2677.17
  rectangle: 0,2877.95 456.69,3602.36
  lines w40: 2334.65,0 2334.65,1031.5 2696.85,1031.5 ; 389.76,1232.28 389.76,1366.14 500,1476.38 500,1555.12 409.45,1645.67 409.45,1874.02 602.36,2066.93 1728.35,2066.93 1759.84,2098.43 1759.84,2594.49 1787.4,2622.05 2641.73,2622.05 2677.17,2586.61 2677.17,2389.76 2637.8,2350.39 2318.9,2350.39 1842.52,1874.02 1102.36,1874.02 870.08,1641.73 870.08,1255.91 814.96,1200.79 629.92,1200.79 421.26,1200.79 389.76,1232.28 ; 429.13,1169.29 429.13,1169.29 ; 870.08,925.2 870.08,1523.62 937.01,1590.55 1129.92,1590.55 1196.85,1523.62 1196.85,1137.8 1145.67,1086.61 1145.67,795.28 1291.34,649.61 1535.43,649.61 1586.61,598.43 1586.61,503.94 1543.31,460.63 1334.65,460.63 870.08,925.2

## Silkscreen, mask and mechanical layers (free items; w line width, h text height)
Top Overlay:
  drawing of 5 lines, arcs and shapes, not listed
  text "AC-IN" at 19.71,3543.31 h31.5
  text "PROG" at 2688.97,2318.92 h31.5 r90
  text "12V" at 412.13,1984.26 h31.5
  text "SENSOR" at 2688.97,1111.58 h31.5 r90
  text "WiFi_Sec_Det_v01" at 2371.4,997.3 h31.5 r270
  text "5V" at 1236.22,594.5 h31.5 r90
  text "WiFi_Sec_Det_v01" at 2290.02,557.82 h31.5 r90
Bottom Overlay:
  circle w5.91: c3015.75,881.89 r39.37
  lines w5.91: 3125.98,70.87 3106.3,82.68 ; 3125.98,94.49 3106.3,82.68 ; 3125.98,307.09 3153.54,307.09 ; 3106.3,82.68 3153.54,82.68 3153.54,307.09 ; 3153.54,307.09 3153.54,535.43 3051.18,535.43 3051.18,307.09 3153.54,307.09
  text "TP_GND" at 3265.02,926.52 h31.5
  text "MAIN" at 2813.62,141.74 h31.5
Top Solder:
  drawing of 4 lines, arcs and shapes, not listed
Bottom Solder:
  region: 3043.31,905.51 2988.19,905.51 2988.19,858.27 3043.31,858.27
Route Tool Path:
  drawing of 618 lines, arcs and shapes, not listed
  text "Layer" at 3356.8,1855.52 h60
  text "Name" at 3766.71,1855.52 h60
  text "Material" at 5096.33,1855.52 h60
  text "Thickness" at 5696.18,1855.52 h60
  text "Constant" at 6346.02,1855.52 h60
  text "Board Layer Stack" at 6915.88,1855.52 h60
  text "Top Overlay" at 3766.71,1735.52 h60
  text "Top Solder" at 3766.71,1615.52 h60
  text "SM-001" at 5096.33,1615.52 h60
  text "1.00mil" at 5696.18,1615.52 h60
  text "4" at 6346.02,1615.52 h60
  text "Top Surface Finish" at 3766.71,1495.52 h60
  text "PbSn" at 5096.33,1495.52 h60
  text "0.79mil" at 5696.18,1495.52 h60
  text "1" at 3356.8,1375.52 h60
  text "Top Layer" at 3766.71,1375.52 h60
  text "CF-004" at 5096.33,1375.52 h60
  text "1.38mil" at 5696.18,1375.52 h60
  text "Dielectric 1" at 3766.71,1255.52 h60
  text "PP-017" at 5096.33,1255.52 h60
  text "5.10mil" at 5696.18,1255.52 h60
  text "4.3" at 6346.02,1255.52 h60
  text "Dielectric 2" at 3766.71,1135.52 h60
  text "PP-017" at 5096.33,1135.52 h60
  text "5.10mil" at 5696.18,1135.52 h60
  text "4.3" at 6346.02,1135.52 h60
  text "2" at 3356.8,1015.52 h60
  text "GND" at 3766.71,1015.52 h60
  text "CF-004" at 5096.33,1015.52 h60
  text "1.38mil" at 5696.18,1015.52 h60
  text "Dielectric 3" at 3766.71,895.52 h60
  text "Core-039" at 5096.33,895.52 h60
  text "28.00mil" at 5696.18,895.52 h60
  text "4.8" at 6346.02,895.52 h60
  text "3" at 3356.8,775.52 h60
  text "PWR" at 3766.71,775.52 h60
  text "CF-004" at 5096.33,775.52 h60
  text "1.38mil" at 5696.18,775.52 h60
  text "Dielectric 4" at 3766.71,655.52 h60
  text "PP-017" at 5096.33,655.52 h60
  text "5.10mil" at 5696.18,655.52 h60
  text "4.3" at 6346.02,655.52 h60
  text "Dielectric 5" at 3766.71,535.52 h60
  text "PP-017" at 5096.33,535.52 h60
  text "5.10mil" at 5696.18,535.52 h60
  text "4.3" at 6346.02,535.52 h60
  text "4" at 3356.8,415.52 h60
  text "Bottom Layer" at 3766.71,415.52 h60
  text "CF-004" at 5096.33,415.52 h60
  text "1.38mil" at 5696.18,415.52 h60
  text "Bottom Surface Finish" at 3766.71,295.52 h60
  text "PbSn" at 5096.33,295.52 h60
  text "0.79mil" at 5696.18,295.52 h60
  text "Bottom Solder" at 3766.71,175.52 h60
  text "SM-001" at 5096.33,175.52 h60
  text "1.00mil" at 5696.18,175.52 h60
  text "4" at 6346.02,175.52 h60
  text "Bottom Overlay" at 3766.71,55.52 h60
Drill Drawing:
  circle w10: c3417.96,3129.55 r20
  circle w10: c3417.96,3129.55 r33.33
  circle w10: c3417.96,2829.55 r33.33
  lines w10: 3384.63,2496.22 3417.96,2512.89 3451.3,2496.22 3434.63,2529.55 3451.3,2562.89 3417.96,2546.22 3384.63,2562.89 3401.3,2529.55 3384.63,2496.22 ; 3384.63,2946.22 3451.3,2946.22 3451.3,3012.89 3384.63,3012.89 3384.63,2946.22 ; 3384.63,3246.22 3417.96,3262.89 3451.3,3246.22 3434.63,3279.55 3451.3,3312.89 3417.96,3296.22 3384.63,3312.89 3401.3,3279.55 3384.63,3246.22 ; 3384.63,3396.22 3384.63,3412.89 3401.3,3429.55 3384.63,3446.22 3384.63,3462.89 3401.3,3462.89 3417.96,3446.22 3434.63,3462.89 3451.3,3462.89 3451.3,3446.22 3434.63,3429.55 3451.3,3412.89 3451.3,3396.22 3434.63,3396.22 3417.96,3412.89 3401.3,3396.22 3384.63,3396.22 ; 3384.63,3696.22 3451.3,3696.22 3451.3,3762.89 3384.63,3762.89 3384.63,3696.22 ; 3384.63,3846.22 3384.63,3862.89 3401.3,3879.55 3384.63,3896.22 3384.63,3912.89 3401.3,3912.89 3417.96,3896.22 3434.63,3912.89 3451.3,3912.89 3451.3,3896.22 3434.63,3879.55 3451.3,3862.89 3451.3,3846.22 3434.63,3846.22 3417.96,3862.89 3401.3,3846.22 3384.63,3846.22 ; 3384.63,4012.89 3401.3,4012.89 3401.3,3996.22 3434.63,3996.22 3434.63,4012.89 3451.3,4012.89 3451.3,4046.22 3434.63,4046.22 3434.63,4062.89 3401.3,4062.89 3401.3,4046.22 3384.63,4046.22 3384.63,4012.89 ; 3384.63,4179.55 3417.96,4146.22 3451.3,4179.55 3417.96,4212.89 3384.63,4179.55 ; 3384.63,4362.89 3451.3,4362.89 3417.96,4296.22 3384.63,4362.89 ; 3397.96,2509.55 3417.96,2519.55 3437.96,2509.55 3427.96,2529.55 3437.96,2549.55 3417.96,2539.55 3397.96,2549.55 3407.96,2529.55 3397.96,2509.55 ; 3397.96,3409.55 3397.96,3419.55 3407.96,3429.55 3397.96,3439.55 3397.96,3449.55 3407.96,3449.55 3417.96,3439.55 3427.96,3449.55 3437.96,3449.55 3437.96,3439.55 3427.96,3429.55 3437.96,3419.55 3437.96,3409.55 3427.96,3409.55 3417.96,3419.55 3407.96,3409.55 3397.96,3409.55 ; 3397.96,3709.55 3437.96,3709.55 3437.96,3749.55 3397.96,3749.55 3397.96,3709.55 ; 3397.96,4349.55 3437.96,4349.55 3417.96,4309.55 3397.96,4349.55
  lines w15: 3324.84,2451.22 11104.69,2451.22 ; 3324.84,4551.22 11104.69,4551.22 ; 3875.72,2301.22 3875.72,4701.22 ; 4475.56,2301.22 4475.56,4701.22 ; 5575.24,2301.22 5575.24,4701.22 ; 6081.11,2301.22 6081.11,4701.22 ; 6814.91,2301.22 6814.91,4701.22 ; 8314.46,2301.22 8314.46,4701.22 ; 8904.31,2301.22 8904.31,4701.22 ; 9650.11,2301.22 9650.11,4701.22 ; 3324.84,2301.22 11104.69,2301.22 11104.69,4701.22 3324.84,4701.22 3324.84,2301.22
  text "Symbol" at 3414.84,4596.22 h72
  text "Count" at 3920.72,4596.22 h72
  text "Hole Size" at 4520.56,4596.22 h72
  text "Plated" at 5620.24,4596.22 h72
  text "Hole Type" at 6126.11,4596.22 h72
  text "Drill Layer Pair" at 6859.91,4596.22 h72
  text "Via/Pad" at 8359.46,4596.22 h72
  text "Pad Shape" at 8949.31,4596.22 h72
  text "Template" at 9695.11,4596.22 h72
  text "2" at 3920.72,4446.22 h60
  text "31.50mil (0.800mm)" at 4520.56,4446.22 h60
  text "PTH" at 5620.24,4446.22 h60
  text "Round" at 6126.11,4446.22 h60
  text "Top Layer - Bottom Layer" at 6859.91,4446.22 h60
  text "Pad" at 8359.46,4446.22 h60
  text "Rounded" at 8949.31,4446.22 h60
  text "c200h80m205" at 9695.11,4446.22 h60
  text "D" at 3385.75,4436.23 h66.67
  text "2" at 3920.72,4296.22 h60
  text "35.43mil (0.900mm)" at 4520.56,4296.22 h60
  text "NPTH" at 5620.24,4296.22 h60
  text "Round" at 6126.11,4296.22 h60
  text "Top Layer - Bottom Layer" at 6859.91,4296.22 h60
  text "Pad" at 8359.46,4296.22 h60
  text "Rounded" at 8949.31,4296.22 h60
  text "c90hn90m95" at 9695.11,4296.22 h60
  text "2" at 3920.72,4146.22 h60
  text "39.37mil (1.000mm)" at 4520.56,4146.22 h60
  text "PTH" at 5620.24,4146.22 h60
  text "Slot" at 6126.11,4146.22 h60
  text "Top Layer - Bottom Layer" at 6859.91,4146.22 h60
  text "Pad" at 8359.46,4146.22 h60
  text "Rounded" at 8949.31,4146.22 h60
  text "r400_200h100_300r100" at 9695.11,4146.22 h60
  text "2" at 3920.72,3996.22 h60
  text "47.24mil (1.200mm)" at 4520.56,3996.22 h60
  text "PTH" at 5620.24,3996.22 h60
  text "Slot" at 6126.11,3996.22 h60
  text "Top Layer - Bottom Layer" at 6859.91,3996.22 h60
  text "Pad" at 8359.46,3996.22 h60
  text "Rounded" at 8949.31,3996.22 h60
  text "r360_180h120_150r100" at 9695.11,3996.22 h60
  text "2" at 3920.72,3846.22 h60
  text "47.24mil (1.200mm)" at 4520.56,3846.22 h60
  text "PTH" at 5620.24,3846.22 h60
  text "Slot" at 6126.11,3846.22 h60
  text "Top Layer - Bottom Layer" at 6859.91,3846.22 h60
  text "Pad" at 8359.46,3846.22 h60
  text "Rounded" at 8949.31,3846.22 h60
  text "r400_200h120_300r100" at 9695.11,3846.22 h60
  text "2" at 3920.72,3696.22 h60
  text "82.68mil (2.100mm)" at 4520.56,3696.22 h60
  text "NPTH" at 5620.24,3696.22 h60
  text "Round" at 6126.11,3696.22 h60
  text "Top Layer - Bottom Layer" at 6859.91,3696.22 h60
  text "Pad" at 8359.46,3696.22 h60
  text "Rounded" at 8949.31,3696.22 h60
  text "c210hn210" at 9695.11,3696.22 h60
  text "3" at 3920.72,3546.22 h60
  text "25.59mil (0.650mm)" at 4520.56,3546.22 h60
  text "PTH" at 5620.24,3546.22 h60
  text "Round" at 6126.11,3546.22 h60
  text "Top Layer - Bottom Layer" at 6859.91,3546.22 h60
  text "Pad" at 8359.46,3546.22 h60
  text "Rounded" at 8949.31,3546.22 h60
  text "c120h65m125" at 9695.11,3546.22 h60
  text "B" at 3385.75,3536.23 h66.67
  text "4" at 3920.72,3396.22 h60
  text "11.81mil (0.300mm)" at 4520.56,3396.22 h60
  text "PTH" at 5620.24,3396.22 h60
  text "Round" at 6126.11,3396.22 h60
  text "Top Layer - Bottom Layer" at 6859.91,3396.22 h60
  text "Via" at 8359.46,3396.22 h60
  text "Rounded" at 8949.31,3396.22 h60
  text "v45h30m0mx0" at 9695.11,3396.22 h60
  text "6" at 3920.72,3246.22 h60
  text "66.93mil (1.700mm)" at 4520.56,3246.22 h60
  text "PTH" at 5620.24,3246.22 h60
  text "Round" at 6126.11,3246.22 h60
  text "Top Layer - Bottom Layer" at 6859.91,3246.22 h60
  text "Pad" at 8359.46,3246.22 h60
  text "(Mixed)" at 8949.31,3246.22 h60
  text "(Mixed)" at 9695.11,3246.22 h60
  text "10" at 3920.72,3096.22 h60
  text "51.18mil (1.300mm)" at 4520.56,3096.22 h60
  text "PTH" at 5620.24,3096.22 h60
  text "Round" at 6126.11,3096.22 h60
  text "Top Layer - Bottom Layer" at 6859.91,3096.22 h60
  text "Pad" at 8359.46,3096.22 h60
  text "Rounded" at 8949.31,3096.22 h60
  text "c210h130m215" at 9695.11,3096.22 h60
  text "12" at 3920.72,2946.22 h60
  text "7.09mil (0.180mm)" at 4520.56,2946.22 h60
  text "PTH" at 5620.24,2946.22 h60
  text "Round" at 6126.11,2946.22 h60
  text "Top Layer - Bottom Layer" at 6859.91,2946.22 h60
  text "Pad" at 8359.46,2946.22 h60
  text "Rounded" at 8949.31,2946.22 h60
  text "c25h18m30p0" at 9695.11,2946.22 h60
  text "12" at 3920.72,2796.22 h60
  text "34.25mil (0.870mm)" at 4520.56,2796.22 h60
  text "PTH" at 5620.24,2796.22 h60
  text "Round" at 6126.11,2796.22 h60
  text "Top Layer - Bottom Layer" at 6859.91,2796.22 h60
  text "Pad" at 8359.46,2796.22 h60
  text "Rounded" at 8949.31,2796.22 h60
  text "r121_170h87r100m126_175" at 9695.11,2796.22 h60
  text "12" at 3920.72,2646.22 h60
  text "39.37mil (1.000mm)" at 4520.56,2646.22 h60
  text "PTH" at 5620.24,2646.22 h60
  text "Round" at 6126.11,2646.22 h60
  text "Top Layer - Bottom Layer" at 6859.91,2646.22 h60
  text "Pad" at 8359.46,2646.22 h60
  text "Rounded" at 8949.31,2646.22 h60
  text "(Mixed)" at 9695.11,2646.22 h60
  text "C" at 3385.75,2636.23 h66.67
  text "186" at 3920.72,2496.22 h60
  text "13.78mil (0.350mm)" at 4520.56,2496.22 h60
  text "PTH" at 5620.24,2496.22 h60
  text "Round" at 6126.11,2496.22 h60
  text "Top Layer - Bottom Layer" at 6859.91,2496.22 h60
  text "Via" at 8359.46,2496.22 h60
  text "Rounded" at 8949.31,2496.22 h60
  text "(Mixed)" at 9695.11,2496.22 h60
  text "257 Total" at 3920.72,2346.22 h60
  text "Slot definitions :" at 3414.84,2201.25 h60
  text "Routed Path Length" at 4447.53,2201.25 h60
  text "= Calculated from tool start centre position to tool end centre position." at 5550.2,2201.25 h60
  text "Hole Length" at 4447.53,2101.27 h60
  text "= Routed Path Length + Tool Size = Slot length as defined in the PCB layout" at 5140.33,2101.27 h60

## Text inside footprints (layer, text, board x,y; h text height)
BR1: Top Overlay "~" at 1256.53,1958.2 h60 r90; Top Overlay "~" at 1256.53,1750.56 h60 r90
S1: Top Overlay "G" at 3017.06,452.75 h39.37 r180; Top Overlay "D" at 2976.69,652.17 h39.37 r180; Top Overlay "S" at 2863.51,500.12 h39.37 r180
T1: Top Overlay "INPUT" at 624.64,3230.31 h31.5 r180; Top Overlay "OUTPUT" at 1564.33,2029.53 h31.5